# Altium PCB CHEM_CONTROL_BOX.PcbDoc (part 1 of 3) (continued)
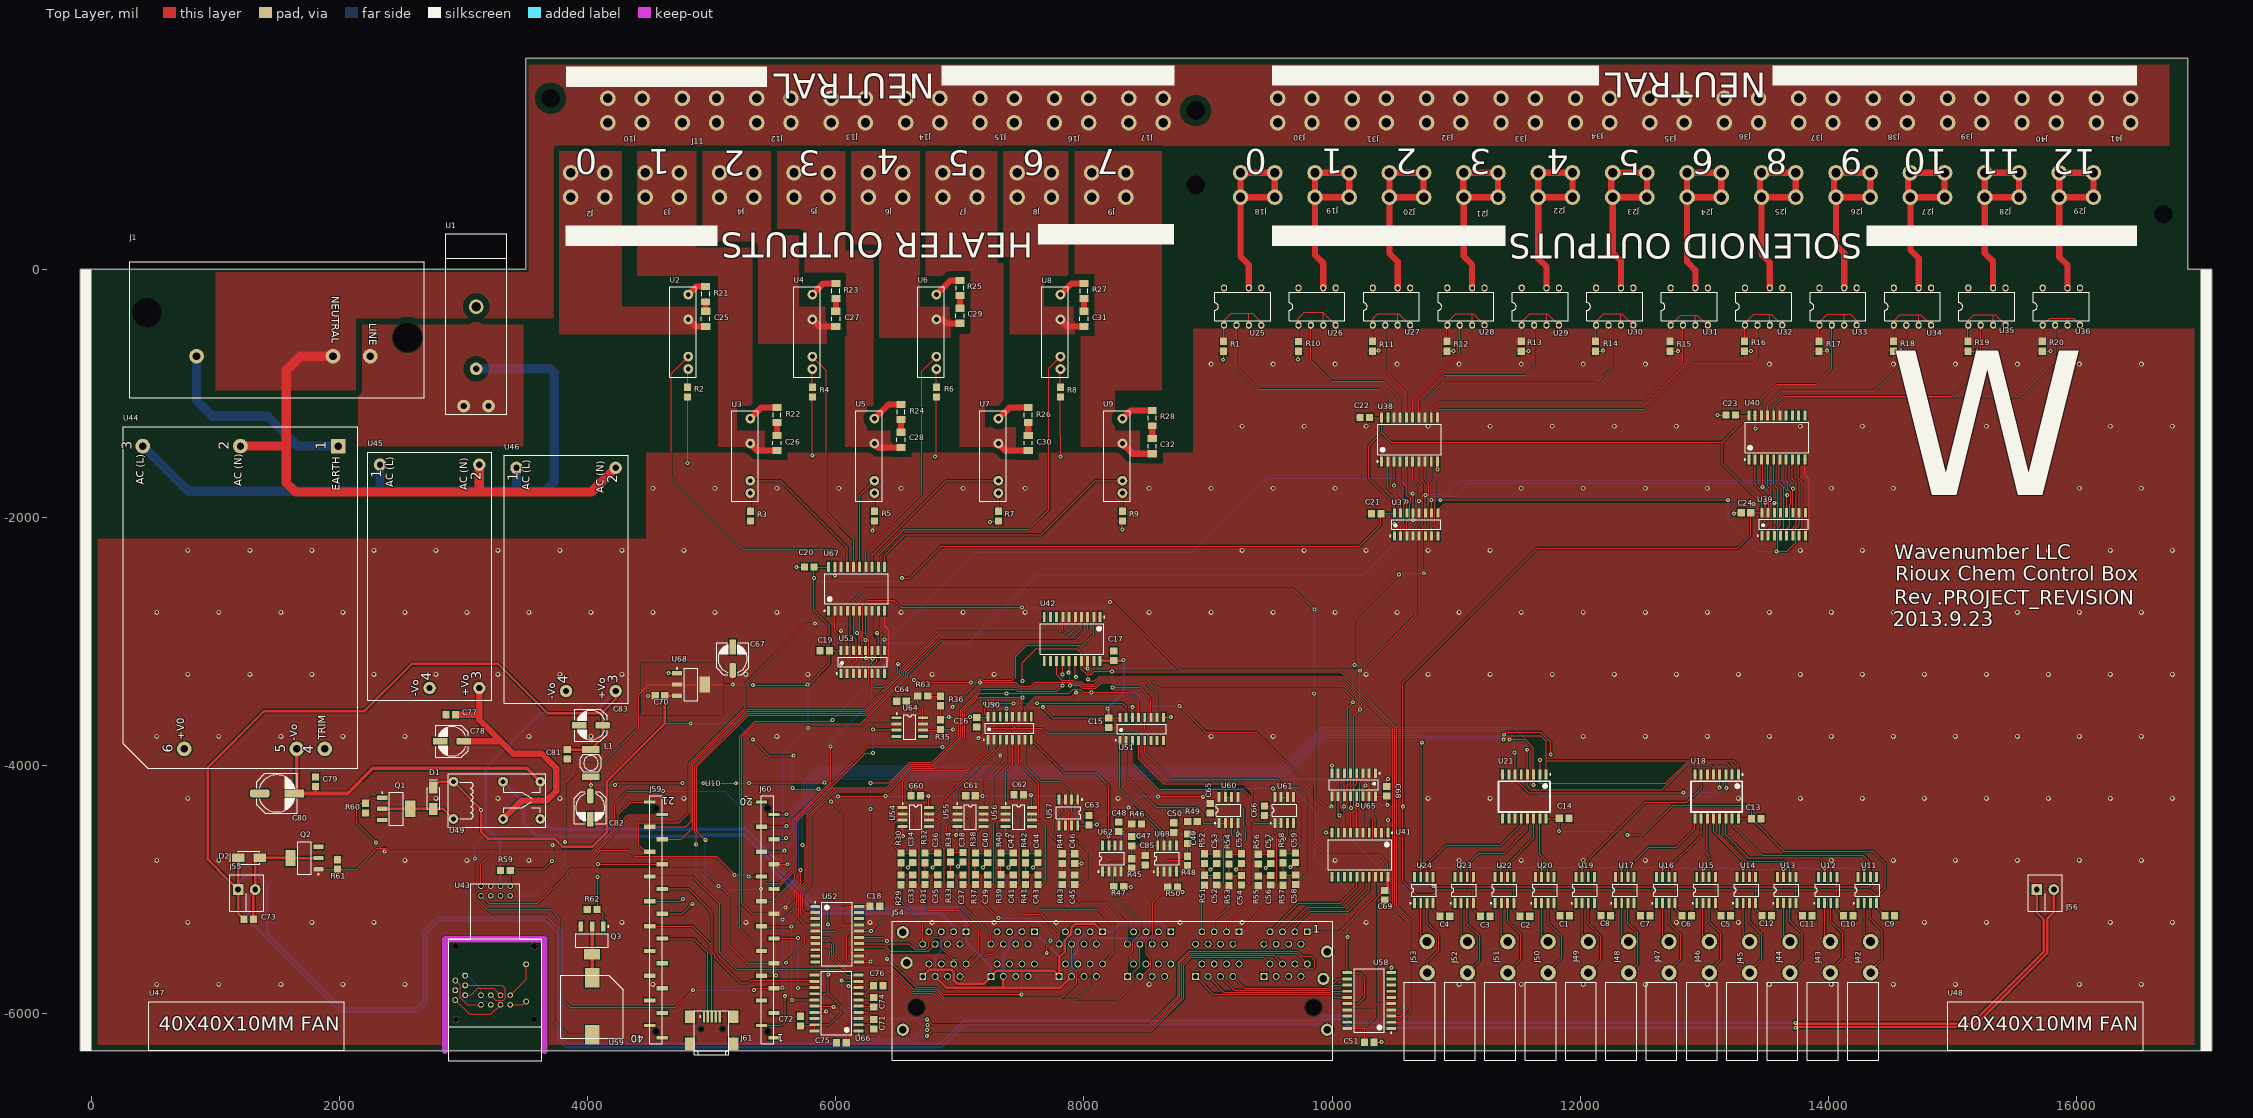
[diagram p0: Top Layer view]
## Components (designator, comment, footprint, x,y, rotation, side; value= is the part's Value field where it differs from the comment) (continued)
U62 "MCP6002-I/SN" "SOIC 8" 8225,-4750 r0 top
U63 "MCP6002-I/SN" "SOIC 8" 8670,-4750 r0 top
U64 "GTL2002D,112" "SOIC 8" 6595,-3690 r270 top
U65 "SN74AHC594DR" SOIC127P600X145-16L 10174,-4155 r270 top
U66 "MAX3223ECDWR" SOIC127P1030X265-20L 6005,-5915 r180 top
U67 "SN74LVTH541DW" SOIC127P1030X265-20L 6167.02,-2575.85 r90 top
U68 "LD1117S33CTR" SOT223 4831,-3347 r0 top

## Footprints (in the part's own frame and the unit in brackets; to place one, negate y for a bottom-side part, rotate by r counter-clockwise, add the part's x,y. Pads: shape width x height; smd on the part's side, far side on the other; paste and mask are expansions set on the pad)
3101.0055 [mm] "FUSEHOLDER FPG5 5X20 IP 40"
  round 2.6 hole 1.3: 1(0,2.54) 1(0,-2.54) 2(-7.62,0)
  round 3 hole 2: MOUNT(-20.32,0)
  silkscreen extent -35.27,-6.25 1.73,6.25, body extent -35.27,-6.25 1.73,6.25, height 12.7
7701 [mil] "Keytone 6-32 Screw terminal"
  round 125 hole 75: 1(-98.5,138) 1(-98.5,-138) 1(98.5,138) 1(98.5,-138)
  body extent -157,-154 153,156, height 318
1734035-2 [mm] "CONN MINI USB RCPT RA TYPE B SMD"
  rect 2.35x0.5 smd: 1(2.778,1.6) 2(2.777,0.8) 3(2.777,0) 4(2.777,-0.8) 5(2.777,-1.6)
  rect 2.5x2 smd: MH1(-2.778,-4.45) MH2(2.722,-4.45) MH3(2.722,4.45) MH4(-2.778,4.45)
  round 0.45 hole 0.91: MOUNT1(0.222,2.2) MOUNT2(0.222,-2.2)
  silkscreen extent -5.03,-3.51 3.97,3.6, body extent -5.65,-4.95 3.55,4.95, height 4.14
1984617 [mm] "Phoenix 2-pin 3.5mm screw terminal"
  rect 2.2x2.2 hole 1.2: 1(-1.75,0)
  round 2.2 hole 1.2: 2(1.75,0)
  silkscreen extent -3.45,-4.4 3.45,3, body extent -3.51,-4.5 4.06,3.1, height 9.05
5569263-1 [mm] "12 - Channel Ethernet"
  rect 1.4x1.4 hole 1: 1-1(-30.49,10.035) 2-1(-16.515,10.035) 3-1(-2.54,10.035) 4-1(11.43,10.025) 5-1(25.4,10.025) 6-1(39.37,10.025) 7-1(-39.37,0.885) 8-1(-25.4,0.885) 9-1(-11.43,0.885) 10-1(2.535,0.885) 11-1(16.51,0.885) 12-1(30.48,0.885)
  round 1.4 hole 1: 1-2(-31.76,7.495) 1-3(-33.03,10.035) 1-4(-34.3,7.495) 1-5(-35.57,10.035) 1-6(-36.84,7.495) 1-7(-38.11,10.035) 1-8(-39.38,7.495) 2-2(-17.785,7.495) 2-3(-19.055,10.035) 2-4(-20.325,7.495) 2-5(-21.595,10.035) 2-6(-22.865,7.495) 2-7(-24.135,10.035) 2-8(-25.405,7.495) 3-2(-3.81,7.495) 3-3(-5.08,10.035) 3-4(-6.35,7.495) 3-5(-7.62,10.035) 3-6(-8.89,7.495) 3-7(-10.16,10.035) 3-8(-11.43,7.495) 4-2(10.16,7.485) 4-3(8.89,10.025) 4-4(7.62,7.485) 4-5(6.35,10.025) 4-6(5.08,7.485) 4-7(3.81,10.025) 4-8(2.54,7.485) 5-2(24.13,7.485) 5-3(22.86,10.025) 5-4(21.59,7.485) 5-5(20.32,10.025) 5-6(19.05,7.485) 5-7(17.78,10.025) 5-8(16.51,7.485) 6-2(38.1,7.485) 6-3(36.83,10.025) 6-4(35.56,7.485) 6-5(34.29,10.025) 6-6(33.02,7.485) 6-7(31.75,10.025) 6-8(30.48,7.485) 7-2(-38.1,3.425) 7-3(-36.83,0.885) 7-4(-35.56,3.425) 7-5(-34.29,0.885) 7-6(-33.02,3.425) 7-7(-31.75,0.885) 7-8(-30.48,3.425) 8-2(-24.13,3.425) 8-3(-22.86,0.885) 8-4(-21.59,3.425) 8-5(-20.32,0.885) 8-6(-19.05,3.425) 8-7(-17.78,0.885) 8-8(-16.51,3.425) 9-2(-10.16,3.425) 9-3(-8.89,0.885) 9-4(-7.62,3.425) 9-5(-6.35,0.885) 9-6(-5.08,3.425) 9-7(-3.81,0.885) 9-8(-2.54,3.425) 10-2(3.805,3.425) 10-3(5.075,0.885) 10-4(6.345,3.425) 10-5(7.615,0.885) 10-6(8.885,3.425) 10-7(10.155,0.885) 10-8(11.425,3.425) 11-2(17.78,3.425) 11-3(19.05,0.885) 11-4(20.32,3.425) 11-5(21.59,0.885) 11-6(22.86,3.425) 11-7(24.13,0.885) 11-8(25.4,3.425) 12-2(31.75,3.425) 12-3(33.02,0.885) 12-4(34.29,3.425) 12-5(35.56,0.885) 12-6(36.83,3.425) 12-7(38.1,0.885) 12-8(39.37,3.425)
  round 0 hole 3.25 unplated mask+1.85: ALIGN(-40.64,-5.465) ALIGN(40.64,-5.465)
  round 2.5 hole 1.57 unplated: SHEILD(-43.43,-10.035) SHEILD(-43.43,9.935) SHEILD(-42.67,3.675) SHEILD(42.67,0.375) SHEILD(43.43,-10.035) SHEILD(43.43,5.965)
  silkscreen extent -45.56,-16.26 44.58,12.19, body extent -44.59,-16.29 44.56,12.16, height 26.3
C0805_LD [mm] "Capacitor - 0805 - Low Density"
  rect 1.45x1.5 smd: 1(-0.975,0) 2(0.975,0)
  body extent -1,-0.6 1,0.6, height 0.9
C1206_LD [mm] "Capacitor - 1206 - Low Density"
  rect 1.5x1.9 smd: 1(-1.55,0) 2(1.55,0)
  silkscreen extent -0.4,-0.85 0.4,0.85, body extent -1.6,-0.8 1.6,0.8, height 0.96
C_ALU_D [mm] "6.3mm x 5.8mm"
  rrect50% 3x1.4 smd: 1(-2.4,0)
  rect 3x1.4 smd: 2(2.4,0)
  silkscreen extent -3.3,-3.3 3.3,3.3, body extent -3.5,-3.3 3.5,3.3, height 5.41
C_ALU_F [mm] "8.0mm x 10.2mm"
  rrect50% 4x1.6 smd: 1(-3.55,0)
  rect 4x1.6 smd: 2(3.55,0)
  silkscreen extent -4.2,-4.1 4.1,4.1, body extent -5,-4.15 4.9,4.15, height 10.22
CT-1205 [mm] "12.8mm magnetic sound transducer, 5V, surface mount"
  rect 4x3 smd: 1(5.7,0) 2(-5.9,0)
  silkscreen extent -6.5,-6.4 6.4,6.4, body extent -6.95,-6.4 6.85,6.4, height 6.8
D_SMA_P [mm] "SMA Diode - Polarized"
  rect 2.5x1.7 smd: 1(-2.2,0) 2(2.2,0)
  silkscreen extent -2.2,-1.3 3.8,1.3, body extent -2.6,-1.3 2.6,1.3, height 2.35
DIP8_NO_PIN7 [mm]
  oval 1.25x1.5 hole 0.75: 1(-3.81,-3.81) 2(-1.27,-3.81) 3(1.27,-3.81) 4(3.81,-3.81) 5(3.81,3.81) 6(1.27,3.81) 8(-3.81,3.81)
  silkscreen extent -5.71,-2.92 5.71,2.92, body extent -5.74,-3.94 5.69,3.94, height 4.19
G6B-2214P-US [mm] "RELAY GENERAL PURPOSE DPDT 5A"
  round 2 hole 1: 1(0,0) 3(-10.16,0) 4(-17.78,0) 5(-17.78,-7.62) 6(-10.16,-7.62) 8(0,-7.62)
  silkscreen extent -18.9,-9.3 1.1,1.7, body extent -19.03,-9.43 1.23,1.83, height 11
KP01.1112.11 [mm] "AC Power Entry Modules SNAP-N PCB 2-POLE"
  round 3 hole 1.6: E(16.51,4.45) L(-19.05,4.45) N(-11.43,4.45)
  round 0 hole 6: M1(-26.67,0.63) M1(26.67,-4.45)
  silkscreen extent -30.16,-14.87 30.21,13.01, body extent -30.16,-18.19 30.21,13.01, height 36.52
L_DO1608C [mil] "Coilcraft DO1608C SMT Inductor"
  rect 55x140 smd: 1(-110,0) 2(110,0)
  silkscreen extent -72,-85 71,85, body extent -130,-87 130,88, height 115
MBED_SURFACEMOUNT_SOCKET [mil]
  rect 90x25 smd: 1(-500,950) 2(-400,850) 19(-500,-850) 20(-400,-950) 21(500,-950) 22(400,-850) 39(500,850) 40(400,950)
  rect 90x35 smd: 3(-500,750) 4(-400,650) 5(-500,550) 6(-400,450) 7(-500,350) 8(-400,250) 9(-500,150) 10(-400,50) 11(-500,-50) 12(-400,-150) 13(-500,-250) 14(-400,-350) 15(-500,-450) 16(-400,-550) 17(-500,-650) 18(-400,-750) 23(500,-750) 24(400,-650) 25(500,-550) 26(400,-450) 27(500,-350) 28(400,-250) 29(500,-150) 30(400,-50) 31(500,50) 32(400,150) 33(500,250) 34(400,350) 35(500,450) 36(400,550) 37(500,650) 38(400,750)
  rect 0x0 hole 46 unplated: M1(-450,900) M2(-450,-900) M3(450,-900) M4(450,900)
  silkscreen extent -500,-1000 500,1000, body extent -525,-1045 525,1110, height 614
ME40100V1-000U-A99 [mil] "FAN 40X10MM 5VDC 1.08W 8CFM"
  silkscreen extent -787,-197 787,197, body extent -787,-197 787,197, height 1575
PCC-SMP-V [mil]
  round 125 hole 67: +(-125.98,0)
  round 125 hole 72: K(125.98,0)
  silkscreen extent -831,-64 -201,184, body extent -831,-64 189,184, height 610
R0805_LD [mm] "0805 Resistor - Low Density"
  rect 1.5x1.45 smd: 1(-1,0) 2(1,0)
  body extent -1,-0.62 1,0.63, height 0.6
R1206_LD [mm] "1206 Resistor - Low Density"
  rect 1.4x1.8 smd: 1(-1.55,0) 2(1.55,0)
  silkscreen extent -0.45,-0.8 0.45,0.8, body extent -1.6,-0.8 1.6,0.8, height 0.6
"R/A IS15DSBFP4RGB" [mil] "RGB compact Smart switch"
  round 47.24 hole 29.53: 1(253.02,-392.69) 2(253.02,-92.69) 3(-317.98,-380.69) 4(-238.98,-341.29) 5(-317.98,-301.89) 6(-238.98,-262.49) 7(-317.98,-223.09) 8(-238.98,-183.69)
  round 45 hole 30: 9(-111.15,-341.04) 10(-111.15,-419.78) 11(-32.41,-341.04) 12(-32.41,-419.78) 13(46.33,-341.04) 14(46.33,-419.78) 15(125.07,-341.04) 16(125.07,-419.78) 17(-111.29,537.97) 18(-111.29,459.23) 19(-32.55,537.97) 20(-32.55,459.23) 21(46.19,537.97) 22(46.19,459.23) 23(124.93,537.97) 24(124.93,459.23)
  round 51.18 hole 51.18 unplated: M1(-311.94,-537.97) M1(-311.94,52.58) M1(317.98,-537.97) M1(317.98,52.58)
  silkscreen extent -371,-871 377,556, body extent -369,-872 379,551, height 594
"SHARP SIP-4 SSR" [mm] "S116S02 / S216S02 SSR"
  round 2 hole 1: 1(-7.62,0) 2(-2.54,0) 3(5.08,0) 4(7.62,0)
  silkscreen extent -9.27,-3.81 9.27,1.65, body extent -9.25,-3.86 9.25,1.65, height 27.62
SOIC127P600X145-16L [mm] "SOIC, 16-Leads, Body 9.90x3.90mm, Pitch 1.27mm, IPC High Density"
  rect 1.9x0.6 smd: 1(-2.35,4.445) 2(-2.35,3.175) 3(-2.35,1.905) 4(-2.35,0.635) 5(-2.35,-0.635) 6(-2.35,-1.905) 7(-2.35,-3.175) 8(-2.35,-4.445) 9(2.35,-4.445) 10(2.35,-3.175) 11(2.35,-1.905) 12(2.35,-0.635) 13(2.35,0.635) 14(2.35,1.905) 15(2.35,3.175) 16(2.35,4.445)
  silkscreen extent -2.47,-5 1,5.42, body extent -3.02,-4.95 2.97,4.95, height 1.4
SOIC127P1030X265-20L [mm] "SOIC, 20-Leads, Body 12.80x7.50mm, Pitch 1.27mm, IPC High Density"
  rect 2x0.6 smd: 1(-4.5,5.715) 2(-4.5,4.445) 3(-4.5,3.175) 4(-4.5,1.905) 5(-4.5,0.635) 6(-4.5,-0.635) 7(-4.5,-1.905) 8(-4.5,-3.175) 9(-4.5,-4.445) 10(-4.5,-5.715) 11(4.5,-5.715) 12(4.5,-4.445) 13(4.5,-3.175) 14(4.5,-1.905) 15(4.5,-0.635) 16(4.5,0.635) 17(4.5,1.905) 18(4.5,3.175) 19(4.5,4.445) 20(4.5,5.715)
  silkscreen extent -4.62,-6.5 3.1,6.69, body extent -5.15,-6.4 5.15,6.4, height 2.65
"SOIC 8" [mm]
  rect 0.6x2.05 smd: 1(-1.905,-2.675) 2(-0.635,-2.675) 3(0.635,-2.675) 4(1.905,-2.675) 5(1.905,2.675) 6(0.635,2.675) 7(-0.635,2.675) 8(-1.905,2.675)
  silkscreen extent -2.88,-2.8 2.5,1.25, body extent -2.49,-3.19 2.51,3.14, height 1.88
"SOIC 16 Wide" [mm] "SOIC, 16-Leads, Body 10.5x7.6mm (max), Pitch 1.27mm, IPC High Density"
  rect 2x0.6 smd: 1(-4.525,4.445) 2(-4.525,3.175) 3(-4.525,1.905) 4(-4.525,0.635) 5(-4.525,-0.635) 6(-4.525,-1.905) 7(-4.525,-3.175) 8(-4.525,-4.445) 9(4.525,-4.445) 10(4.525,-3.175) 11(4.525,-1.905) 12(4.525,-0.635) 13(4.525,0.635) 14(4.525,1.905) 15(4.525,3.175) 16(4.525,4.445)
  silkscreen extent -4.65,-5.25 3.13,5.42, body extent -5.18,-5.17 5.15,5.13, height 2.53
SOT223 [mm] "SOT223, 4-Leads, Body 6.7x7.3mm (max), Pitch 2.30mm, IPC High Density"
  rect 2.1x0.9 smd: 1(-2.85,2.3) 2(-2.85,0) 3(-2.85,-2.3)
  rect 2.1x3.3 smd: 4(2.85,0)
  silkscreen extent -2.97,-3.35 1.4,3.42, body extent -3.54,-3.35 3.76,3.35, height 1.75
VSK-S5 [mil]
  round 100 hole 50: 1(0,0) 2(0,-800) 3(-1800,-800) 4(-1800,-400)
  silkscreen extent -1900,-900 100,100, body extent -1900,-900 100,100, height 597
VSK-S25 [mm]
  rect 3x3 hole 1.5: 1(0,-20)
  round 3 hole 1.5: 2(0,0) 3(0,20) 4(-62,-17.25) 5(-62,-11.5) 6(-62,11.5)
  silkscreen extent -66,-24 4,24, body extent -66,-24 4,24, height 23.52

## Part data
C1 C2 C3 C4 C5 C6 C7 C8 C9 C10 C11 C12 C13 C14 C15 C16 C17 C18 C19 C20 C21 C22 C23 C24 C33 C34 C35 C36 C37 C38 C39 C40 C41 C42 C43 C44 C45 C46 C47 C48 C49 C50 C51 C52 C53 C54 C55 C56 C57 C58 C59 C60 C61 C62 C63 C64 C65 C66 C68 C69 C70 C71 C72 C73 C74 C75 C76 C77 C79 C81 C85: library part GRM21BR71H104KA01L, "CAP CER 0.1UF 50V 10% X7R 0805"
C25 C26 C27 C28 C29 C30 C31 C32: library part GRM31CR72E104KW03L, "CAP CER 0.1UF 250V 10% X7R 1206"
C67 C78 C82 C83: library part EEE-FK1E470P, "CAP ALUM 47UF 25V 20% SMD"
C80: library part EEE-FK1E331P, "CAP ALUM 330UF 25V 20% SMD"
D1 D2: "DIODE SCHOTTKY 100V 1A SMA"
J1: "AC Power Entry Modules SNAP-N PCB 2-POLE"
J2 J3 J4 J5 J6 J7 J8 J9 J10 J11 J12 J13 J14 J15 J16 J17 J18 J19 J20 J21 J22 J23 J24 J25 J26 J27 J28 J29 J30 J31 J32 J33 J34 J35 J36 J37 J38 J39 J40 J41: "TERM W/ASSEMBLD SCREW VERT PCMNT"
J42 J43 J44 J45 J46 J47 J48 J49 J50 J51 J52 J53: library part PCC-SMP-K-100, "Vertical K type thermocouple connector - K"
J54: "CONN MOD JACK R/A 8P8C SHIELDED"
J55 J56: "CONN TERM BLOCK T/H 2POS 3.5MM"
L1: library part DO1608C-104_L
Q1 Q2 Q3: "MOSFET N-CH 60V 4A SOT-223-4"
R1 R2 R3 R4 R5 R6 R7 R8 R9 R10 R11 R12 R13 R14 R15 R16 R17 R18 R19 R20: library part ERJ-6ENF91R0V, "RES 91 OHM 1/8W 1% 0805 SMD"
R21 R22 R23 R24 R25 R26 R27 R28: library part ERJ-8ENF47R0V, "RES 47 OHM 1/4W 1% 1206 SMD"
R29 R30 R31 R32 R33 R34 R36 R37 R38 R39 R40 R41 R42 R43 R44 R45 R46 R48 R49 R51 R52 R53 R54 R55 R56 R57 R58 R63: library part ERJ-6ENF1003V, "RES 100K OHM 1/8W 1% 0805 SMD"
R35: library part ERJ-6ENF1001V, "RES 1K OHM 1/8W 1% 0805 SMD"
R47 R50: library part ERJ-6ENF2400V, "RES 240 OHM 1/8W 1% 0805 SMD"
R59 R60 R61 R62: library part ERJ-6ENF1002V, "RES 10K OHM 1/8W 1% 0805 SMD"
U2 U3 U4 U5 U6 U7 U8 U9: "Solid State Relays - PCB Mount 16A Zero Cross Type Triac output SSR"
U10: library part OM11043, "DEVELOPMENT BOARD LPC1768 MBED"
U11 U12 U13 U14 U15 U16 U17 U19 U20 U22 U23 U24: "IC CONV THERMOCOUPLE-DGTL 8SOIC"
U18 U21: "IC DECODER/DEMUX 3-8 LINE 16SO"
U25 U26 U27 U28 U29 U30 U31 U32 U33 U34 U35 U36: "RELAY SSR 10MA 240V 1.2A 8-DIP"
U37 U39 U53 U65: "IC SHIFT REGISTER 8BIT 16-SOIC"
U38 U40 U41 U42 U67: "IC BUFF/DVR TRI-ST 8BIT 20SOIC"
U43: library part "R/A IS15DSBFP4RGB", "64x32 Compact Smart Switch"
U44: "CONV AC/DC 25W 15V 1.6A PCB"
U45: "CONV AC/DC 5W 15V 0.33A PCB"
U46: "CONV AC/DC 5W 5V 1A PCB"
U47 U48: "FAN 40X10MM 5VDC 1.08W 8CFM"
U49: "RELAY GENERAL PURPOSE DPST 5A 5V"
U50 U51: "IC ADC 12BIT 2.7V 8CH SPI 16SOIC"
U52 U58: "IC 8 CHANNEL DAC S/O 20-SOIC"
U54 U55 U56 U57 U60 U61 U62 U63: "IC OPAMP 1.8V 1MHZ DUAL 8-SOIC"
U64: "IC XLATR 2BIT BI-DIREC 8SOIC"
U66: "IC RS232 3V5.5V DRVR ESD 20-SOIC"
U68: "IC REG LDO 3.3V 950MA SOT-223"

## Free pads (board coordinates)
  round 0 hole 150: 0(3700,1380) 0(8900,680) 0(8900,1280) 1(16700,445)

## Via types
v1: diameter 32, hole 15, Top Layer to Bottom Layer, tented both sides, 259 vias
v2: diameter 40, hole 20, Top Layer to Bottom Layer, tented both sides, 217 vias
v3: diameter 32, hole 15, Top Layer to Bottom Layer, 3 vias

## Nets (pads, with @x,y where several pads share a name; then routed paths per layer and width w, separated by ;. In a path a pad name is that pad's centre, name@x,y a point inside that pad or via, vN(x,y) a via of type N, cw(c..) or ccw(c..) an arc to the next point about the centre after c; other vN are vias at no path point)
3.3V: U18.6
120VAC: R21.1 R22.1 R23.1 R24.1 R25.1 R26.1 R27.1 R28.1 U1.2 U2.1 U3.1 U4.1 U5.1 U6.1 U7.1 U8.1 U9.1 U25.8 U26.8 U27.8 U28.8 U29.8 U30.8 U31.8 U32.8 U33.8 U34.8 U35.8 U36.8 U44.3 U45.1 U46.1 | length 7326.5
  Top Layer w50: U2.1@4810,-204 4875.02,-138.98 R21.1@4950,-138.98 ; U3.1@5310,-1204 5400.02,-1113.98 R22.1@5525,-1113.98 ; U4.1@5810,-204 5900.02,-113.98 R23.1@6000,-113.98 ; U5.1@6310,-1204 6425.02,-1088.98 R24.1@6525,-1088.98 ; U6.1@6810,-204 6925.02,-88.98 R25.1@7000,-88.98 ; U7.1@7310,-1204 7400.02,-1113.98 R26.1@7550,-1113.98 ; U8.1@7810,-204 7900.02,-113.98 R27.1@8000,-113.98 ; U9.1@8310,-1204 8375.02,-1138.98 R28.1@8550,-1138.98
  Bottom Layer w75: U44.3@412.6,-1425 777.6,-1790 3655,-1790 3730,-1715 3730,-835 3697.36,-802.36 U1.2@3100,-802.36 ; 2325,-1775 U45.1@2325,-1575 ; 3425,-1785 U46.1@3425,-1600
120VAC_RETURN: J1.N J10.1 J11.1 J12.1 J13.1 J14.1 J15.1 J16.1 J17.1 J30.1 J31.1 J32.1 J33.1 J34.1 J35.1 J36.1 J37.1 J38.1 J39.1 J40.1 J41.1 U44.2 U45.2 U46.2 | length 4712.5
  Top Layer w75: U44.2@1200,-1425 1560,-1425 ; J1.N@1946.06,-700.2 1684.8,-700.2 1570,-815 1570,-1720 1645,-1795 3155,-1795 ; U45.2@3125,-1575 3125,-1790 3120,-1795 4030,-1795 U46.2@4225,-1600
+3.3V: C1.2 C2.2 C3.2 C4.2 C5.2 C6.2 C7.2 C8.2 C9.2 C10.2 C11.2 C12.2 C13.2 C14.2 C19.2 C20.2 C21.2 C22.2 C23.2 C24.2 C67.1 C68.2 C72.2 U11.4 U12.4 U13.4 U14.4 U15.4 U16.4 U17.4 U18.16 U19.4 U20.4 U21.16 U22.4 U23.4 U24.4 U37.16 U38.20 U39.16 U40.20 U43.24 U53.16 U64.2 U65.10 U65.13 U65.16 U66.14 U66.19 U66.20 U67.20 U68.2 U68.4 | length 35601
  Top Layer w6: v1(3818,-4615) 3818,-4145 3978,-3985 4118,-3985 4409,-3694 4409,-3426 4488,-3347 U68.2@4718.8,-3347 ; C72.2@5715,-6098.39 5819.45,-6098.39 U66.19@5827.83,-6090 ; U66.20@5827.83,-6140 U66.19@5827.83,-6090 ; U66.14@5827.83,-5840 5938,-5840 ; v1(5933,-5062) 5936,-5065 v1(5936,-5280) ; v1(5939,-5685) 5938,-5686 5938,-5840 ; C22.2@10302.39,-1195 10302.7,-1194.69 U38.20@10399.28,-1194.69 10399.28,-1317.28 ; 10393.39,-2059.61 C21.2@10393.39,-1970 10398.9,-1964.49 U37.16@10502.5,-1964.49 10502.5,-1889.5 10296,-1683 10296,-1420.55 10399.28,-1317.28 ; U21.16@11725,-4428.15 11828.46,-4428.15 C14.2@11831.61,-4425 11831.61,-4528.39 v1(11830,-4530) ; v1(12380,-4560) 12510,-4560 12750,-4320 13340,-4320 13381.61,-4361.61 C13.2@13381.61,-4430 13379.76,-4428.15 U18.16@13275,-4428.15 ; C23.2@13253.39,-1175 13257.32,-1178.94 U40.20@13360.89,-1178.94 13145.83,-1394 ; C24.2@13375.39,-1963 13375.91,-1962.48 U39.16@13465,-1962.48 13465,-1887 13145.83,-1567.83 13145.83,-1394 ; U66.19@5827.83,-6090 5948,-6090 6042,-5996 6042,-5944 5938,-5840 ; 10399.28,-1317.28 10476,-1394 13145.83,-1394
  Top Layer w8: U68.2@4718.8,-3347 U68.4@4943.2,-3347 5145,-3347 5146,-3348 v1(5169,-3348) 5169,-3234.49 C67.1@5168,-3233.49 ; v1(5330,-3352) v1@5771,-3352 ; v1(5776,-3697) 6238,-3697 6270,-3665 U64.2@6489.69,-3665 ; v1@5778,-3352 5948.39,-3181.61 C19.2@5948.39,-3075 ; U67.20@5940.71,-2400 C20.2@5823.39,-2400 v1(5823.39,-2488) 5823.39,-2748.39 5948.39,-2873.39 C19.2@5948.39,-3075 ; U53.16@6040.33,-3073.09 6038.43,-3075 C19.2@5948.39,-3075 ; v1(6532,-2490) 6592,-2490 6849,-2233 10220,-2233 10393.39,-2059.61 ; U65.10@10049,-4247.52 10049,-4394 v1(10059,-4404) ; U65.13@10199,-4247.52 10199,-4317 v1(10205,-4317) ; U65.16@10349,-4247.52 10349.13,-4247.39 C68.2@10440,-4247.39 10440,-4312 v1(10448,-4320) ; C4.2@10871.61,-5215 10815,-5158.39 U24.4@10815,-5110.31 10815,-5040 ; C3.2@11196.61,-5215 11140,-5158.39 U23.4@11140,-5110.31 11140,-5001 ; C2.2@11516.61,-5215 11465,-5163.39 U22.4@11465,-5110.31 11465,-5003 11463,-5001 ; C1.2@11836.61,-5210 11790,-5163.39 U20.4@11790,-5110.31 11790,-5003 11792,-5001 ; C8.2@12166.61,-5210 12115,-5158.39 U19.4@12115,-5110.31 12115,-5003 12113,-5001 ; C7.2@12486.61,-5210 12435,-5158.39 U17.4@12435,-5110.31 12435,-5004 12438,-5001 ; C6.2@12821.61,-5210 12765,-5153.39 U16.4@12765,-5110.31 12765,-5004 12768,-5001 ; C5.2@13136.61,-5210 13090,-5163.39 U15.4@13090,-5110.31 13090,-5005 13086,-5001 ; C24.2@13375.39,-1963 13375.39,-2141.61 13267,-2250 11655,-2250 10571,-3334 v1(10571,-4332) 10571,-4933 10678,-5040 10815,-5040 ; C13.2@13381.61,-4430 13641.61,-4690 14360,-4690 14460,-4790 14460,-4984 14389.5,-5054.5 ; C12.2@13466.61,-5210 13415,-5158.39 U14.4@13415,-5110.31 13415,-5003 13413,-5001 ; C11.2@13791.61,-5210 13740,-5158.39 U13.4@13740,-5110.31 13740,-5003 13742,-5001 ; C10.2@14121.61,-5210 14070,-5158.39 U12.4@14070,-5110.31 14070,-5006 14065,-5001 ; C9.2@14456.61,-5210 14390,-5143.39 U11.4@14390,-5110.31 14390,-5055 14336,-5001 14065,-5001 ; 10815,-5040 10854,-5001 11140,-5001 ; 11140,-5001 11463,-5001 ; 11463,-5001 11792,-5001 ; 11792,-5001 12113,-5001 ; 12113,-5001 12438,-5001 ; 12438,-5001 12768,-5001 ; 12768,-5001 13086,-5001 ; 13086,-5001 13413,-5001 ; 13413,-5001 13742,-5001 ; 13742,-5001 14065,-5001
  Bottom Layer w6: U43.24@3374.93,-5050.77 3563.23,-5050.77 3818,-4796 v1(3818,-4615) ; v1(5776,-3697) 5776,-3706 5571,-3911 5571,-4662.82 5558,-4675.82 5558,-4816 5804,-5062 v1(5933,-5062) ; v1(5936,-5280) 5939,-5283 v1(5939,-5685) ; v1(11830,-4530) 12350,-4530 v1(12380,-4560)
  Bottom Layer w8: v1(5169,-3348) 5326,-3348 v1(5330,-3352) ; v1(5771,-3346) 5776,-3351 v1(5776,-3697) ; v1(5823.39,-2488) 5850.39,-2515 6507,-2515 v1(6532,-2490) ; v1(10059,-4404) 10059,-4304 10101,-4262 10150,-4262 v1(10205,-4317) 10445,-4317 v1(10448,-4320) 10559,-4320 v1(10571,-4332)
+5V: C15.2 C16.2 C17.2 C18.2 C51.2 C69.2 C70.2 C73.2 C81.2 C83.1 D1.2 D2.2 J55.1 J56.1 L1.1 R35.2 R36.2 U10.2 U41.20 U42.20 U43.21 U46.3 U49.8 U50.16 U51.16 U52.5 U52.17 U52.20 U58.5 U58.17 U58.20 U59.1 U68.3 | length 45933.3
  Top Layer w8: v1(3090,-4750) 3084,-4756 3084,-5081 3213,-5210 3660,-5210 3730,-5280 3730,-6060 3839.41,-6169.41 U59.1@4035,-6169.41 ; 4620.39,-3662.61 4623,-3660 v1(4830,-3660) ; v1(5330,-3790) 5460,-3920 v1(5660,-3920) ; U10.2@5400,-6095 5565,-6095 5590,-6070 v1(5590,-5860) ; v1(5598,-5590) 5590,-5590 5750,-5430 5750,-5360 5775,-5335 U52.5@5832.83,-5335 6002,-5335 6052,-5285 ; v1(5650,-4180) 5660,-4190 v1(5860,-4190) ; v1(5960,-4290) 6052,-4382 6052,-5169 ; U52.17@6187.17,-5285 6052,-5285 ; U52.20@6187.17,-5135 6086,-5135 6052,-5169 ; C18.2@6276.61,-5135 6276.61,-4353.39 v1(6280,-4350) ; v1(6280,-4140) 6429.49,-4140 6596.49,-3973 6777,-3973 6990,-3760 6990,-3660 6940,-3610 v1(6910,-3610) 6865.63,-3610 R35.2@6845,-3630.63 R36.2@6845,-3519.37 ; v1(7080,-3610) 7081.61,-3611.61 C16.2@7135,-3611.61 7220.87,-3611.61 U50.16@7225,-3607.48 7200,-3582.48 v1(7200,-3500) ; v1(7670,-3530) 7670,-3540 7746.61,-3616.61 C15.2@8200,-3616.61 8285.87,-3616.61 U51.16@8290,-3612.48 ; v1(8770,-3520) 8980,-3730 9390,-3730 9840,-4180 9840,-4620 9940,-4720 10380,-4720 10450,-4790 U41.20@10450,-4897.17 ; U58.20@10122.83,-6120 10260,-6120 10350,-6030 10350,-5970 ; U58.17@10122.83,-5970 10350,-5970 ; C51.2@10261.61,-6230 10261.61,-6121.61 ; C69.2@10424,-5006.61 10422.7,-5006.61 10350,-5079.31 10350,-5920 ; U58.5@10477.17,-5920 10350,-5920 ; 6052,-5285 6052,-5169 ; 10350,-5970 10350,-5920
  Top Layer w20: D2.2@1182.39,-4744 1181.1,-4745.28 J55.1@1181.1,-5000 ; C73.2@1227.41,-5239.8 1181.1,-5193.49 J55.1@1181.1,-5000 ; D1.2@2755,-4177.39 2801.39,-4131 U49.8@2917,-4131 3140,-4354 v1(3140,-4360) 3140,-4534 3195,-4589 3731,-4589 3796,-4654 4037,-4654 4152,-4539 4152,-4131 4620.39,-3662.61 C70.2@4620.39,-3437 4718.24,-3437 U68.3@4718.8,-3437.55 ; C81.2@3835,-3871.61 4023.39,-3871.61 L1.1@4025,-3870 4119.49,-3775.51 C83.1@4119.49,-3675 4119.49,-3579 ; U46.3@4225,-3400 4225,-3465 4119.49,-3570.51 4119.49,-3579 ; U52.20@6187.17,-5135 C18.2@6276.61,-5135 ; U42.20@8130,-3157.17 8312.83,-3157.17 v1(8320,-3150) ; v1(8190,-3540) 8200,-3550 C15.2@8200,-3616.61 ; C69.2@10424,-5006.61 10450,-4980.61 U41.20@10450,-4897.17 ; v1(13735,-6074) 13741,-6080 15158,-6080 15736,-5502 15736,-5239.8 15681.1,-5184.9 J56.1@15681.1,-5000 ; J55.1@1181.1,-5000 1111.1,-4930 1109,-4930 938,-4759 938,-4015 1392,-3561 2201,-3561 2581,-3181 3278,-3181 3676,-3579 4119.49,-3579
  Bottom Layer w8: v1(3090,-4750) 3090,-4640 3176,-4554 3176,-4497 ; v1(4830,-3660) 5200,-3660 v1(5330,-3790) ; v1(5590,-5860) 5598,-5852 5598,-5598 5590,-5590 v1(5598,-5590) ; v1(5650,-4180) 5650,-3930 v1(5660,-3920) ; v1(5860,-4190) v1(5960,-4290) ; v1(6280,-4350) v1(6280,-4140) ; v1(6910,-3610) v1(7080,-3610) ; v1(7200,-3500) 7230,-3470 7300,-3470 7320,-3490 7320,-3560 7350,-3590 7430,-3590 7490,-3530 v1(7670,-3530) ; 8320,-3410 8420,-3410 8530,-3520 v1(8770,-3520)
  Bottom Layer w20: J55.1@1181.1,-5000 1181.1,-4949.9 1251,-4880 1335,-4880 1415,-4960 1415,-5349.4 2023.4,-5957.8 2612.6,-5957.8 2672,-5898.4 2672,-5338.4 2788.6,-5221.8 3671.8,-5221.8 3790,-5340 3790,-6200 3833,-6243 6843.4,-6243 7027.2,-6059.2 9871.2,-6059.2 9913.4,-6017 10090,-6017 10147,-6074 v1(13735,-6074) ; v1(3140,-4360) 3176,-4360 ; U43.21@3296.19,-4972.03 3296.19,-4617.19 3176,-4497 3176,-4360 ; U46.3@4225,-3400 4048,-3577 3621,-3577 3176,-4022 3176,-4360 ; v1(8190,-3540) 8320,-3410 v1(8320,-3150)
+5VA: C60.2 C61.2 C62.2 C63.2 C65.2 C66.2 C82.1 C85.2 L1.2 U50.15 U51.15 U52.11 U52.16 U54.8 U55.8 U56.8 U57.8 U58.11 U58.16 U60.8 U61.8 U63.8 | length 13753.2
  Top Layer w6: v1(6279,-5580) 6274,-5585 U52.11@6187.17,-5585 6103,-5585 6087,-5569 6087,-5378 6130,-5335 U52.16@6187.17,-5335 6281,-5335 v1(6282,-5334) 6404,-5212 6404,-4250 v1(6400,-4246)
  Top Layer w8: C82.1@4020,-4245.51 4025,-4240.51 v1(4025,-4159) L1.2@4025,-4090 ; v1(4220,-4156) 4236,-4140 v1(4764,-4140) ; v1(4931,-4143) v1(5193,-4143) ; v1(5300,-4141) 5905,-4141 v1(5909,-4137) ; v1(6018,-4249) 6021,-4246 v1(6400,-4246) ; C60.2@6683.39,-4245 6744,-4245 v1(6745,-4244) 6749.53,-4248.53 U54.8@6749.53,-4340 ; C61.2@7123.39,-4245 7180,-4245 v1(7181,-4246) ; U55.8@7189.53,-4340 7189.53,-4254.53 v1(7181,-4246) ; v1(7274,-3510) v1@7274,-3508 ; U50.15@7275,-3607.48 v1@7275,-3510 ; v1@7275,-3508 7275,-3507 7282,-3500 v1(7432,-3500) ; v1(7325,-3921) 7325,-3958 7181,-4102 v1(7181,-4246) ; C62.2@7512.6,-4235 7573,-4235 v1(7574,-4236) 7579.53,-4241.53 U56.8@7579.53,-4340 ; v1(7620,-3498) 8310,-3498 8340,-3528 U51.15@8340,-3612.48 ; U57.8@7950,-4485.32 8033.07,-4485.32 C63.2@8040,-4478.39 8042.39,-4476 v1(8106,-4476) ; v1(8358,-4340) 8406,-4340 8495.46,-4429.46 8498.87,-4429.46 8595,-4525.59 U63.8@8595,-4644.68 8522.32,-4644.68 8495,-4672 C85.2@8495,-4726.61 ; v1(8598,-4249) v1@8960,-4249 ; v1@8962.69,-4249.31 C65.2@9019,-4305.61 ; C65.2@9010,-4326.61 9074.39,-4326.61 9090,-4311 U60.8@9090,-4254.68 ; C66.2@9455,-4326.61 9507.39,-4326.61 9540,-4294 U61.8@9540,-4254.68 9540,-4201 v1(9523,-4184) ; U58.16@10122.83,-5920 10212,-5920 10265,-5867 10265,-5711 10224,-5670 U58.11@10122.83,-5670 10122.83,-5386.17 v1(10125,-5384)
  Bottom Layer w6: v1(6400,-4246) 6743,-4246 v1(6745,-4244) 7779,-4244 8011,-4476 v1(8106,-4476)
  Bottom Layer w8: v1(4025,-4159) 4028,-4156 v1(4220,-4156) ; v1(4764,-4140) 4928,-4140 v1(4931,-4143) ; v1(5193,-4143) 5298,-4143 v1(5300,-4141) ; v1(5909,-4137) 6018,-4246 v1(6018,-4249) ; v1(7274,-3510) 7274,-3870 v1(7325,-3921) ; v1(7432,-3500) 7618,-3500 v1(7620,-3498) ; v1(8106,-4476) 8242,-4340 v1(8358,-4340) 8449,-4249 v1(8598,-4249) ; v1(8960,-4252) 9028,-4184 v1(9523,-4184) 9683,-4184 9864,-4365 9864,-4750 10125,-5011 v1(10125,-5384)
+15V: C77.2 C78.1 U45.3 U49.3 | length 2238.1
  Top Layer w50: C77.2@2933.39,-3590 3121,-3590 3125,-3594 ; C78.1@2999.49,-3805 3298,-3805 ; U45.3@3125,-3375 3125,-3594 ; U49.3@3317,-4431 3466,-4282 3671,-4282 3746,-4207 3746,-4022 3629,-3905 3398,-3905 3298,-3805 ; 3125,-3594 3125,-3632 3298,-3805
-15V: C79.1 C80.2 U44.5 U49.5 | length 2535
  Top Layer w30: U44.5@1652.76,-3865.94 1652.76,-4207.01 C80.2@1634.76,-4225 1802,-4225 ; C79.1@1805,-4168.39 1805,-4222 1802,-4225 ; U49.5@3617,-4131 3509,-4023 2267,-4023 2065,-4225 1802,-4225